# Allegro board com_v1_p3.brd (continued)
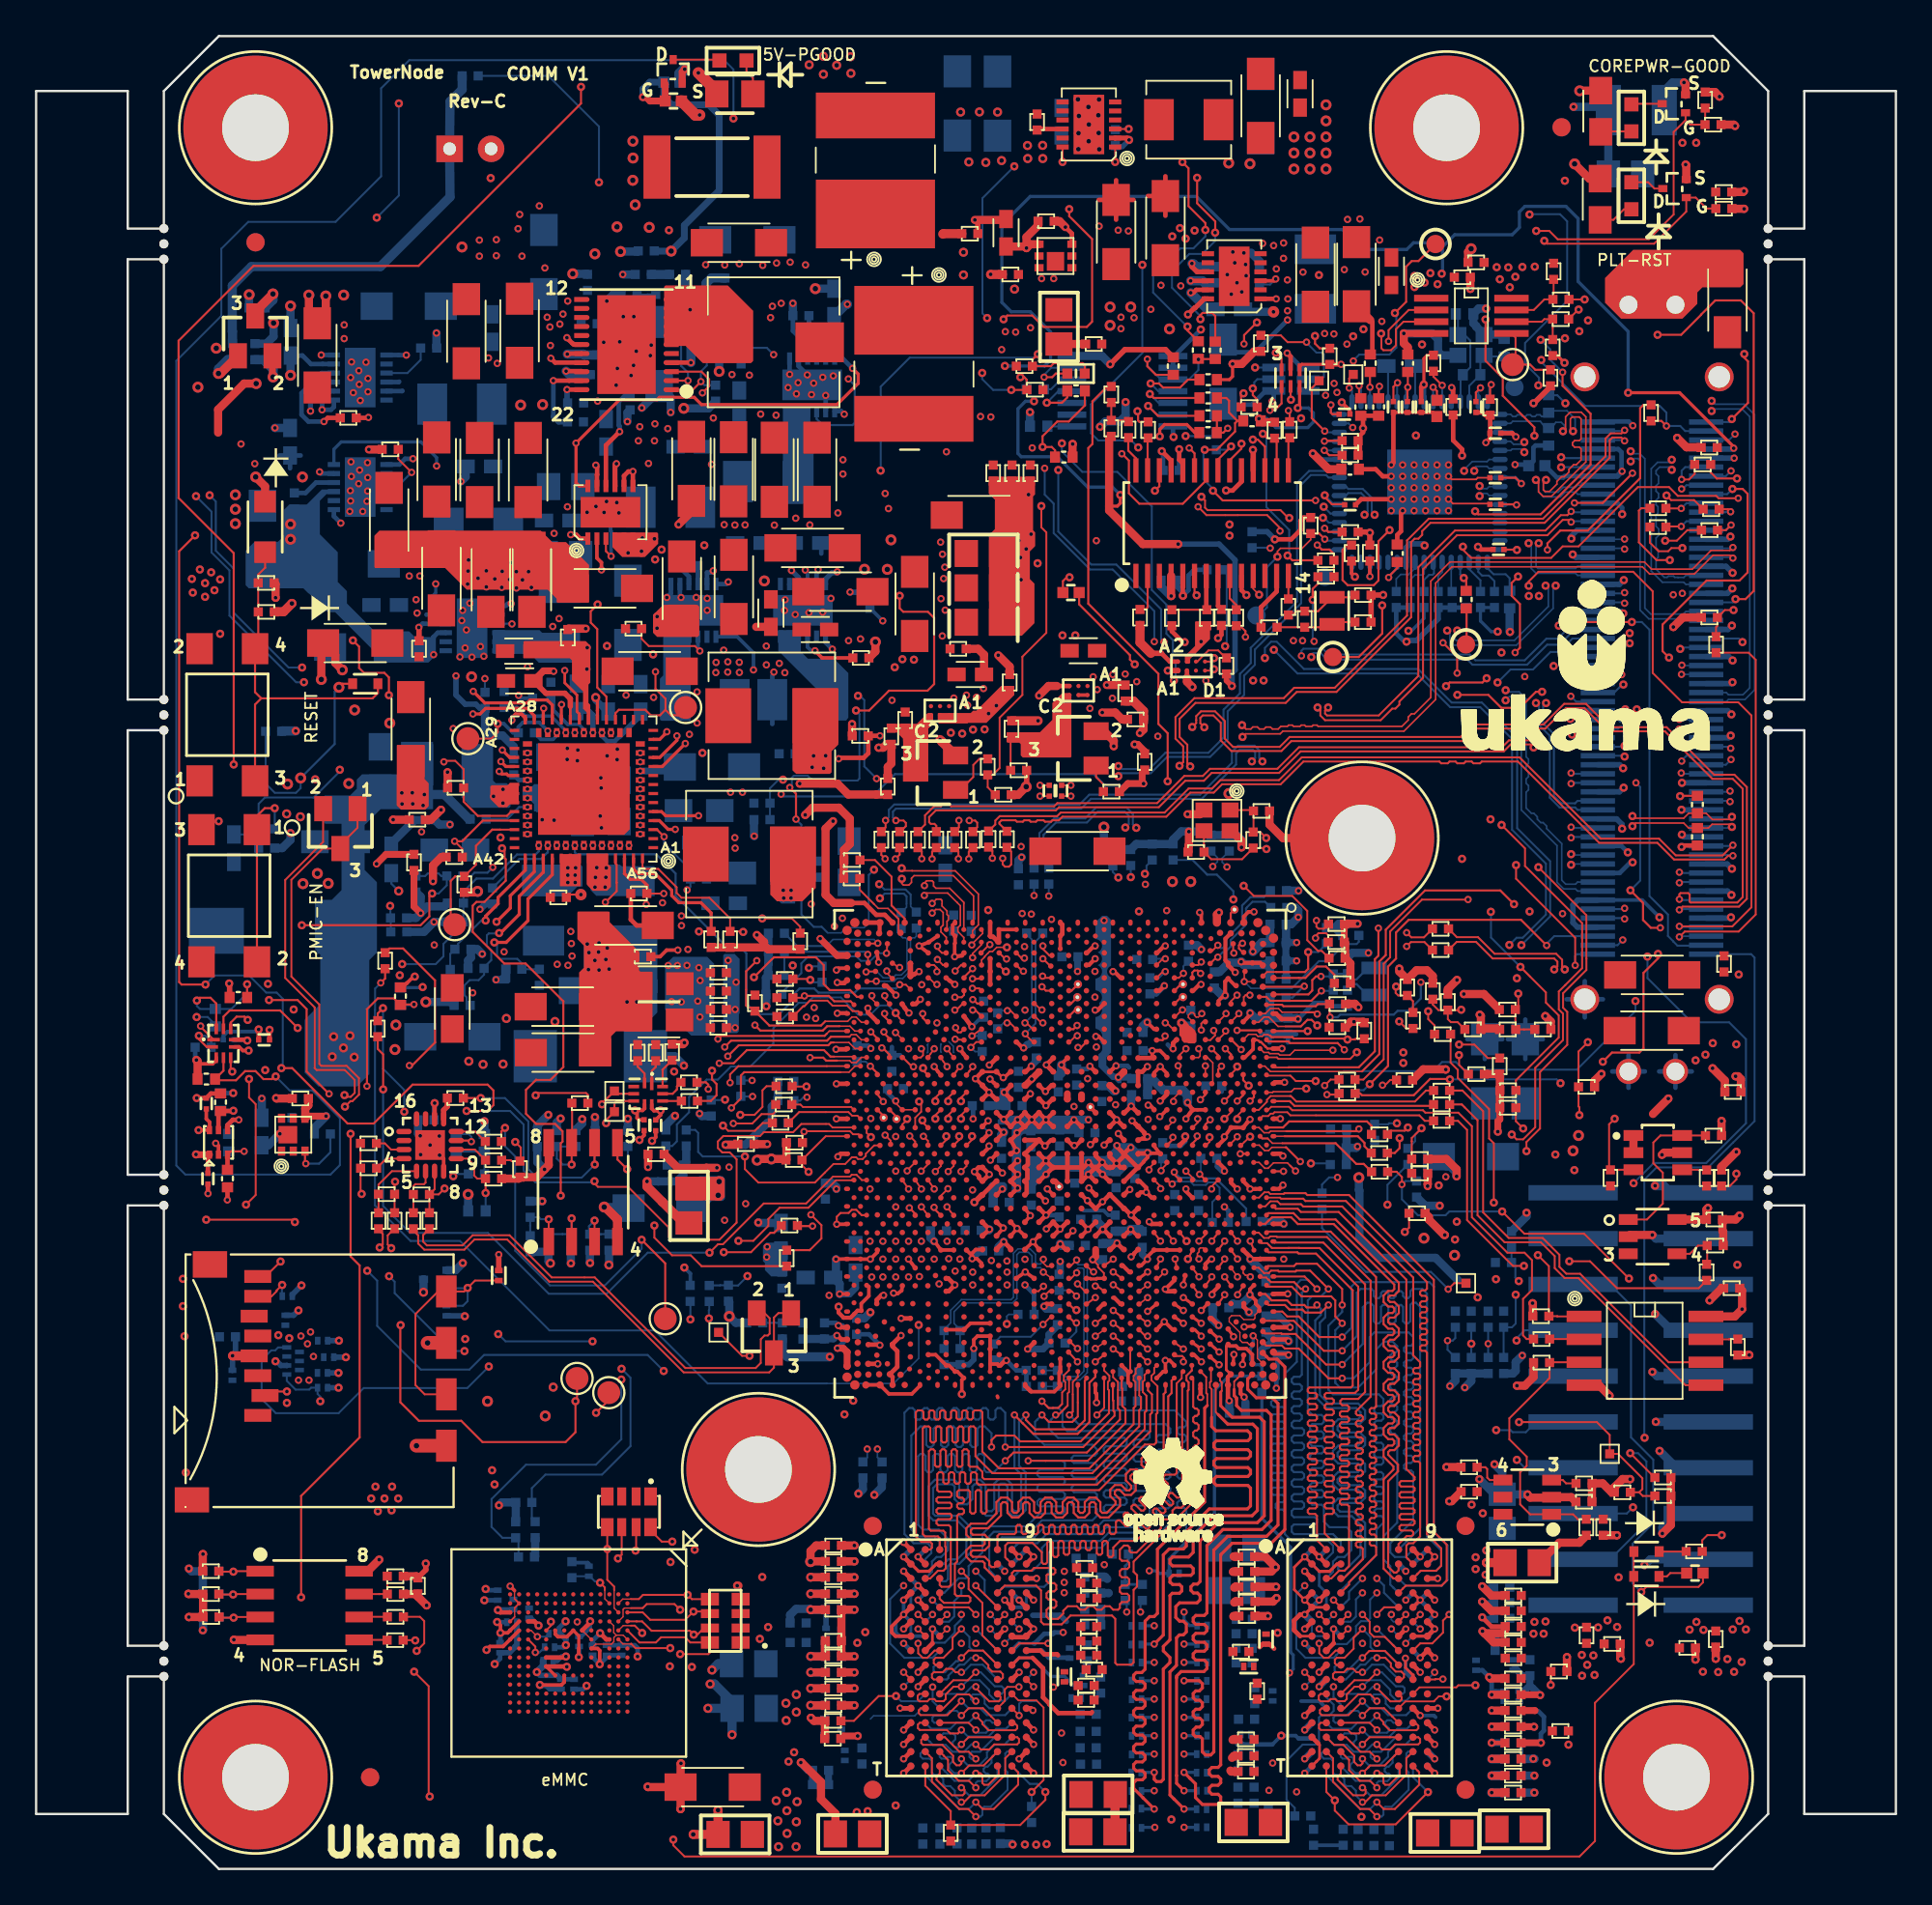
[diagram p0: board, top side]
## Routing (per net, layer and track width the routed paths; a pad name or vN(x,y) marks a point on that pad's centre or on a via; arc(x,y) is an arc through that point) (continued)
  TOP w0.173: v2(66.85,27.96) 66.88,28.15 U3C1.D50
  L3_SIG1 w0.157: v2(66.85,27.96) 67.42,27.39 67.42,6.88 66.91,6.37 66.44,6.37 65.9,5.83 65.9,5.23 64.5,3.83 63.34,3.83 62.3,2.79 62.3,2.61 v2(61.99,2.3)
  L7_PWR2 w0.157: v2(74.3,2.9) 73.98,2.59 73.83,2.43 64.66,2.43 64.09,1.86 62.43,1.86 v2(61.99,2.3) 61.99,2.31 61.32,2.31 60.82,2.81 60.43,2.81 60.23,2.62 60.23,2.5 60.04,2.3 59.76,2.3 59.57,2.5 59.57,2.62 59.38,2.81 59.1,2.81 58.91,2.62 58.91,2.5 58.72,2.3 58.44,2.3 58.25,2.5 58.25,2.62 58.06,2.81 57.78,2.81 57.59,2.62 57.59,2.5 57.4,2.3 57.12,2.3 56.93,2.5 56.93,2.62 56.74,2.81 56.46,2.81 56.27,2.62 56.27,2.5 56.08,2.3 55.8,2.3 55.61,2.5 55.61,2.62 55.42,2.81 53.96,2.81 53.45,2.3 52.31,2.3 52.07,2.54 v2(52.07,2.9)
  BOTTOM w0.109: v2(52.07,2.9) 52.33,2.9 52.44,3 52.44,3.35 52.54,3.45 52.89,3.45 53.83,4.39 53.83,5.35 53.71,5.48 53.71,6.4 53.81,6.5 U30.R2 ; U24.R2 76.3,6.5 76.03,6.5 75.93,6.4 75.93,5.48 76.06,5.35 76.06,4.39 75.12,3.45 74.76,3.45 74.66,3.35 74.66,3 74.56,2.9 v2(74.3,2.9)
  BOTTOM w0.173: v2(61.99,2.3) 61.29,2.3 R11255.1
M_A_A8: length 73.7
  TOP w0.102: 65.64,26.43 65.7,26.5 65.7,26.97 65.61,27.06 U3C1.G52
  TOP w0.109: v2(52.07,3.7) 52.46,3.32 53.07,3.32 54.42,4.67 54.42,5.36 54.42,5.36 U37.T8 ; U27.T8 76.64,5.36 76.64,4.67 75.3,3.32 74.68,3.32 v2(74.3,3.7)
  TOP w0.173: v2(63.61,3.32) 63.06,3.87 62.83,4.1 62.83,10.92 63.19,11.28 63.19,12.81 63.36,12.97 63.57,12.97 63.74,13.14 63.74,13.57 63.57,13.73 63.36,13.73 63.15,13.94 63.15,14.54 63.36,14.75 64.34,14.75 64.5,14.92 64.5,15.15 64.36,15.29 64.14,15.29 63.99,15.44 63.99,15.64 64.14,15.79 64.36,15.79 64.5,15.93 64.5,18.18 65.52,19.2 67.68,19.2 68.06,19.58 68.06,24.78 67.8,25.04 66.28,25.04 65.64,25.67 65.64,26.43
  L7_PWR2 w0.157: v2(52.07,3.7) 52.46,3.32 61.2,3.32 61.71,2.81 62.34,2.81 62.85,3.32 v2(63.61,3.32) 63.91,3.62 64.12,3.83 64.63,3.83 65.15,3.3 65.63,3.3 66.15,3.83 66.66,3.83 67.19,3.3 67.66,3.3 68.18,3.83 68.69,3.83 69.22,3.3 73.9,3.3 74.04,3.44 v2(74.3,3.7)
  BOTTOM w0.109: v2(74.3,3.7) 73.92,3.32 73.38,3.32 71.5,5.2 U24.T8 ; v2(52.07,3.7) 51.69,3.32 51.15,3.32 49.27,5.2 U30.T8
  BOTTOM w0.173: R11234.1 64.3,3.32 v2(63.61,3.32)
M_A_A9: length 70.3
  TOP w0.102: 66.39,26.58 66.39,27.02 U3C1.E52
  TOP w0.109: v2(74.3,4.5) 73.92,4.88 73.35,4.88 72.76,5.48 72.76,6.05 U27.R3 ; v2(52.07,4.5) 51.69,4.88 51.13,4.88 50.53,5.48 50.53,6.05 50.3,6.28 50.3,6.28 U37.R3
  TOP w0.173: 66.39,26.58 66.39,26.24 66.52,26.1 66.52,25.68 66.79,25.42 68.18,25.42 68.44,25.16 68.44,19.32 67.93,18.81 65.77,18.81 64.88,17.93 64.88,14.2 64.74,14.05 64.27,14.05 64.12,13.9 64.12,13.7 64.27,13.55 64.74,13.55 64.88,13.41 64.88,13.2 64.74,13.06 64.27,13.06 64.12,12.91 64.12,12.71 64.27,12.56 64.74,12.56 64.88,12.42 64.88,12.21 64.74,12.07 64.27,12.07 64.12,11.92 64.12,11.72 64.27,11.57 64.74,11.57 64.88,11.43 64.88,11.11 64.72,10.94 63.45,10.94 63.2,10.69 63.2,10.61 63.2,10.61 63.2,5.18 63.2,5.18 63.2,4.75 v2(63.61,4.34)
  L7_PWR2 w0.157: v2(74.3,4.5) 73.9,4.1 73.01,4.1 72.39,4.72 71.23,4.72 70.34,3.83 69.58,3.83 68.57,4.84 64.12,4.84 v2(63.61,4.34) 62.85,4.34 62.34,3.83 52.75,3.83 52.42,4.16 v2(52.07,4.5)
  BOTTOM w0.109: v2(52.07,4.5) 52.07,4.76 52.18,4.87 52.65,4.87 52.83,5.04 52.83,5.19 52.73,5.29 52.63,5.29 52.51,5.41 52.51,5.55 52.63,5.67 52.73,5.67 52.94,5.89 52.94,6.17 U30.R3 ; v2(74.3,4.5) 74.3,4.76 74.4,4.87 74.88,4.87 75.05,5.04 75.05,5.19 74.95,5.29 74.85,5.29 74.73,5.41 74.73,5.55 74.85,5.67 74.95,5.67 75.17,5.89 75.17,6.17 U24.R3
  BOTTOM w0.173: R11244.1 64.33,4.34 v2(63.61,4.34)
M_A_A10: length 67.7
  TOP w0.109: U37.L7 53.44,9.54 53.44,9.39 53.34,9.29 52.82,9.29 52.07,10.03 v2(52.07,10.1) ; U27.L7 75.67,9.54 75.67,9.39 75.57,9.29 75.04,9.29 74.3,10.03 v2(74.3,10.1)
  TOP w0.173: U3C1.K48 v2(64.57,28.82)
  L3_SIG1 w0.102: v2(64.57,28.82) 64.19,28.45 64.19,27.65
  L3_SIG1 w0.157: v2(63.61,11.45) 64.12,10.94 64.12,8.57 64.29,8.4 64.72,8.4 64.88,8.57 64.88,11.62 64.74,11.77 64.27,11.77 64.12,11.91 64.12,12.12 64.27,12.26 64.74,12.26 64.88,12.41 64.88,12.61 64.74,12.76 64.27,12.76 64.12,12.9 64.12,13.11 64.27,13.25 64.74,13.25 64.88,13.4 64.88,13.6 64.74,13.75 64.27,13.75 64.12,13.89 64.12,14.1 64.27,14.24 64.74,14.24 64.88,14.39 64.88,14.59 64.74,14.74 63.76,14.74 63.61,14.88 63.61,15.09 63.76,15.23 64.74,15.23 64.88,15.38 64.88,15.61 64.74,15.76 63.76,15.76 63.61,15.9 63.61,16.11 63.76,16.25 64.74,16.25 64.88,16.4 64.88,24.66 64.12,25.42 64.12,27.58 64.19,27.65
  L7_PWR2 w0.157: v2(74.3,10.1) 73.9,9.7 69.8,9.7 69.07,10.43 68.69,10.43 68.31,10.05 67.93,10.05 67.55,10.43 67.17,10.43 66.79,10.05 66.41,10.05 66.03,10.43 65.77,10.43 65.39,10.05 65.01,10.05 64.44,10.62 v2(63.61,11.45) 63.1,10.94 60.82,10.94 59.55,9.67 52.51,9.67 52.38,9.8 v2(52.07,10.1)
  BOTTOM w0.109: U24.L7 73.68,9.7 74.08,10.1 v2(74.3,10.1) ; U30.L7 51.45,9.7 51.85,10.1 v2(52.07,10.1)
  BOTTOM w0.173: R11241.1 64.33,11.45 v2(63.61,11.45)
M_A_A11: length 68.6
  TOP w0.109: v2(73.5,5.3) 73.93,5.73 74.73,5.73 75.28,6.29 U27.R7 ; U37.R7 53.01,6.23 52.51,5.73 51.71,5.73 v2(51.27,5.3)
  TOP w0.173: U3C1.E51 v2(66.37,28.52)
  L3_SIG1 w0.157: v2(66.37,28.52) 66.37,27.74 67.01,27.1 67.01,26.88 66.54,26.4 66.54,25.54 67.03,25.05 67.03,17.65 66.79,17.41 66.79,17.04 67.04,16.79 67.04,16.55 66.79,16.3 66.79,16.05 67.04,15.8 67.04,15.56 66.79,15.31 66.79,14.97 67.03,14.74 67.03,13.84 66.79,13.6 66.79,13.31 67.05,13.05 67.05,12.81 66.79,12.55 66.79,12.32 67.05,12.06 67.05,11.82 66.79,11.56 66.79,11.06 67.03,10.83 67.03,9.52 66.79,9.28 66.79,8.99 67.05,8.73 67.05,8.5 66.79,8.24 66.79,8 67.05,7.74 67.05,7.16 66.65,6.75 65.9,6.75 65.52,6.37 65.52,5.48 64.5,4.46 64.12,4.46 63.74,4.84 63.02,4.84 62.85,4.68 62.85,3.89 62.69,3.73 61.72,3.73 61.58,3.87 61.58,4.17 61.75,4.34 v2(61.96,4.34)
  L4_PWR1 w0.157: v2(51.27,5.3) 51.52,5.05 51.67,4.9 52.24,4.9 52.69,5.35 53.07,5.35 53.52,4.9 53.76,4.9 54.21,5.35 54.6,5.35 55.04,4.9 58.98,4.9 59.29,4.59 59.74,4.59 60.38,5.23 60.69,5.23 61.58,4.34 v2(61.96,4.34) 62.6,4.34 63.1,3.83 70.22,3.83 71.69,5.3 v2(73.5,5.3)
  BOTTOM w0.109: U30.R7 50.07,6.22 50.18,6.11 50.4,6.11 50.5,6.21 50.68,6.21 50.79,6.11 50.79,5.96 50.6,5.78 50.6,5.59 50.89,5.3 v2(51.27,5.3) ; U24.R7 72.3,6.22 72.4,6.11 72.63,6.11 72.72,6.21 72.91,6.21 73.01,6.11 73.01,5.96 72.83,5.78 72.83,5.59 73.11,5.3 v2(73.5,5.3)
  BOTTOM w0.173: R11237.1 61.27,4.34 v2(61.96,4.34)
M_A_A12: length 67.6
  TOP w0.109: U27.N7 75.15,8.45 74.69,8.91 73.91,8.91 v2(73.5,8.5) ; v2(51.27,8.5) 51.68,8.91 52.47,8.91 52.93,8.45 U37.N7
  TOP w0.173: v2(66.35,29.5) U3C1.F47
  L3_SIG1 w0.102: v2(66.35,29.5) 66.12,29.74 65.7,29.74 65.39,29.74 64.93,29.28 64.93,27.97 64.88,27.92 64.88,27.66
  L3_SIG1 w0.157: 64.88,27.66 64.88,26.33 64.91,26.3 64.91,25.26 65.9,24.28 65.9,24.02 65.75,23.88 65.41,23.88 65.26,23.73 65.26,23.53 65.41,23.38 65.75,23.38 65.9,23.24 65.9,23.03 65.75,22.89 65.41,22.89 65.26,22.74 65.26,22.54 65.41,22.39 65.75,22.39 65.9,22.25 65.9,22.04 65.75,21.9 65.41,21.9 65.26,21.75 65.26,21.55 65.41,21.4 65.75,21.4 65.9,21.26 65.9,21.05 65.75,20.9 65.41,20.9 65.26,20.76 65.26,20.55 65.41,20.41 65.75,20.41 65.9,20.26 65.9,20.06 65.75,19.91 65.41,19.91 65.26,19.77 65.26,19.56 65.41,19.42 65.75,19.42 65.9,19.27 65.9,19.07 65.77,18.94 65.39,18.94 65.26,18.81 65.26,18.58 65.62,18.22 65.62,17.9 65.26,17.54 65.26,8.27 64.88,7.89 62.47,7.89 62.34,8.02 v2(61.96,8.4)
  L4_PWR1 w0.157: v2(51.27,8.5) 51.67,8.1 53.28,8.1 53.58,8.4 53.95,8.4 54.25,8.1 54.91,8.1 55.21,8.4 55.87,8.4 56.17,8.1 57.22,8.1 57.52,8.4 58.02,8.4 58.32,8.1 59.25,8.1 59.55,8.4 59.93,8.4 60.22,8.11 60.74,8.11 61.03,8.4 v2(61.96,8.4) 62.6,8.4 63.1,7.89 65.01,7.89 65.39,8.27 69.72,8.27 69.91,8.08 70.64,8.08 71.05,8.5 v2(73.5,8.5)
  BOTTOM w0.109: U24.N7 72.3,8.1 72,8.1 71.89,8.2 71.89,8.4 72,8.5 72.6,8.5 72.87,8.76 73.24,8.76 v2(73.5,8.5) ; v2(51.27,8.5) 51.01,8.76 50.64,8.76 50.38,8.5 49.77,8.5 49.67,8.4 49.67,8.2 49.77,8.1 U30.N7
  BOTTOM w0.173: v2(61.96,8.4) 61.26,8.4 R11243.1
M_A_A13: length 70.9
  TOP w0.102: 64.9,25.69 64.9,26.32 64.84,26.38 64.84,27.26 U3C1.J51
  TOP w0.109: U27.T3 72.3,5.28 72.12,5.1 72.12,4.95 72.98,4.08 73.57,4.08 73.67,4.18 73.67,4.39 73.56,4.5 v2(73.5,4.5) ; v2(51.27,4.5) 51.34,4.5 51.45,4.39 51.45,4.18 51.35,4.08 50.76,4.08 49.9,4.95 49.9,5.1 50.07,5.28 U37.T3
  TOP w0.173: v2(61.96,3.32) 61.34,3.94 60.82,4.46 60.82,4.78 60.98,4.94 61.31,4.94 61.45,5.09 61.45,5.29 61.31,5.44 60.96,5.44 60.82,5.58 60.82,5.79 60.96,5.93 61.31,5.93 61.45,6.08 61.45,6.28 61.31,6.43 60.96,6.43 60.82,6.57 60.82,6.78 60.96,6.92 61.31,6.92 61.45,7.07 61.45,7.27 61.31,7.42 60.96,7.42 60.82,7.56 60.82,7.77 60.96,7.91 61.31,7.91 61.45,8.06 61.45,8.26 61.31,8.41 60.96,8.41 60.82,8.55 60.82,8.76 60.96,8.91 61.31,8.91 61.45,9.05 61.45,9.26 61.31,9.4 60.96,9.4 60.82,9.55 60.82,9.75 60.96,9.9 61.31,9.9 61.45,10.04 61.45,10.25 61.31,10.39 60.96,10.39 60.82,10.54 60.82,10.74 60.96,10.89 61.27,10.89 61.45,11.07 61.45,13.73 61.71,13.99 61.96,13.99 62.14,14.17 62.14,17.72 64.76,20.34 64.76,25.55 64.9,25.69
  L4_PWR1 w0.157: v2(73.5,4.5) 71.78,4.5 70.6,3.32 64.37,3.32 63.99,2.93 63.4,2.93 63.01,3.32 v2(61.96,3.32) 61.45,3.32 60.95,3.83 60.56,3.83 60.18,3.45 59.8,3.45 59.42,3.83 59.04,3.83 58.66,3.45 58.28,3.45 57.9,3.83 57.52,3.83 57.14,3.45 56.75,3.45 56.37,3.83 55.99,3.83 55.61,3.45 55.23,3.45 54.58,4.1 51.68,4.1 v2(51.27,4.5)
  BOTTOM w0.109: U30.T3 53.27,5.51 53.27,5.05 52.31,4.08 51.69,4.08 v2(51.27,4.5) ; v2(73.5,4.5) 73.92,4.08 74.53,4.08 75.5,5.05 U24.T3
  BOTTOM w0.173: v2(61.96,3.32) 61.27,3.32 R11254.1
M_A_A14: length 76.1
  TOP w0.109: v2(52.07,5.3) 52.33,5.3 52.44,5.2 52.44,4.76 52.54,4.66 52.76,4.66 53.34,5.24 53.34,5.64 U37.T7 ; U27.T7 75.56,5.64 75.56,5.24 74.99,4.66 74.76,4.66 74.66,4.76 74.66,5.2 74.56,5.3 v2(74.3,5.3)
  TOP w0.173: U3C1.B49 68.32,28.26 68.77,28.26 69.2,27.83 69.2,18.81 68.44,18.05 66.28,18.05 65.64,17.42 65.64,5.77 65.5,5.63 65.15,5.63 65.01,5.48 65.01,5.28 65.15,5.13 65.5,5.13 65.64,4.99 65.64,4.78 65.5,4.64 65.15,4.64 65.01,4.49 65.01,4.29 65.15,4.14 65.5,4.14 65.64,4 65.64,3.74 65.48,3.57 64.63,3.57 64.25,3.96 64.25,4.72 63.94,5.02 v2(63.61,5.35)
  L7_PWR2 w0.157: v2(52.07,5.3) 52.4,4.97 52.41,4.97 52.63,4.75 62.41,4.75 63.01,5.35 63.6,5.35 v2(63.61,5.35) 64.12,5.86 65.64,5.86 66.15,5.35 69.45,5.35 69.9,4.9 70.53,4.9 71.23,5.61 72.43,5.61 73.14,4.9 73.9,4.9 74.03,5.04 v2(74.3,5.3)
  L8_SIG4 w0.102: 51.66,5.72 50.63,5.72
  L8_SIG4 w0.157: 50.63,5.72 49.68,6.67 v2(49.68,10.08) ; v2(52.07,5.3) 51.66,5.72
  BOTTOM w0.109: U30.T7 50.36,5.42 50.89,4.88 51.66,4.88 v2(52.07,5.3) ; v2(74.3,5.3) 73.88,4.88 73.12,4.88 72.65,5.36 U24.T7 ; v2(49.68,10.08) 49.68,9.3 U30.M7
  BOTTOM w0.173: v2(63.61,5.35) 64.29,5.35 R11236.1
M_A_A15: length 51.7
  TOP w0.076: 67.98,28.01 67.68,28.31 67.68,29.32 v2(67.44,29.55)
  TOP w0.102: U3C1.B50 67.98,28.01 ; v2(54.46,10.09) 53.83,10.09 53.68,9.95 53.68,9.31 53.58,9.21 U37.M7
  L4_PWR1 w0.157: v1(68.8,13.09) 67.6,13.09 64.17,16.53 v2(61.69,16.53)
  L5_SIG2 w0.157: v2(54.46,10.09) 55.11,9.45 57.72,9.45 58.82,10.55 58.82,15.27 60.08,16.53 v2(61.69,16.53)
  L8_SIG4 w0.157: v2(71.89,10.1) 71.2,9.4 69.24,9.4 68.8,9.84 v1(68.8,13.09)
  BOTTOM w0.109: v2(71.89,10.1) 71.89,9.52 72.3,9.12 U24.M7
  BOTTOM w0.173: v2(61.69,16.53) 62.1,16.53 62.25,16.38 R11242.1 62.79,17.19 65.3,19.7 65.3,26.52 66.09,27.32 R384.2 67.92,27.84 67.82,27.95 67.57,27.95 67.29,28.23 67.29,28.86 67.44,29.01 v2(67.44,29.55)
M_A_BS0: length 70.4
  TOP w0.109: v2(73.5,9.3) 72.72,8.53 71.24,8.53 71.14,8.63 71.14,8.8 71.24,8.9 71.5,8.9 U27.M2 ; v2(51.27,9.3) 50.5,8.53 49.02,8.53 48.92,8.63 48.92,8.8 49.02,8.9 U37.M2
  TOP w0.173: U3C1.K47 64.21,29.89 v2(64.57,29.54)
  L4_PWR1 w0.157: v2(73.5,9.3) 65.4,9.3 65.01,8.91 63.1,8.91 62.6,9.42 v2(61.96,9.42) 61.83,9.29 58.41,9.29 58.02,8.9 57.52,8.9 57.14,9.29 56.63,9.29 56.24,8.9 55.74,8.9 55.36,9.29 54.96,9.29 54.58,8.9 54.09,8.9 53.71,9.29 53.33,9.29 52.94,8.9 51.67,8.9 51.56,9.02 v2(51.27,9.3)
  L8_SIG4 w0.102: 64.91,27.6 64.91,29.19 64.79,29.31 v2(64.57,29.54) ; 62.01,9.42 v2(61.96,9.42)
  L8_SIG4 w0.157: 62.01,9.42 62.83,10.24 62.83,14.73 63.36,15.26 64.72,15.26 65.39,15.93 65.39,16.4 65.26,16.53 65.01,16.53 64.88,16.66 64.88,16.92 65.03,17.06 65.25,17.06 65.39,17.21 65.39,17.41 65.25,17.56 65.03,17.56 64.88,17.7 64.88,17.91 65.03,18.05 66.01,18.05 66.15,18.2 66.15,18.4 66.01,18.55 65.03,18.55 64.88,18.69 64.88,18.9 65.03,19.04 66.01,19.04 66.15,19.19 66.15,19.39 66.01,19.54 65.03,19.54 64.88,19.68 64.88,19.89 65.03,20.03 65.25,20.03 65.39,20.18 65.39,20.38 65.25,20.53 65.03,20.53 64.88,20.67 64.88,20.88 65.03,21.02 65.25,21.02 65.39,21.17 65.39,21.37 65.25,21.52 65.03,21.52 64.88,21.66 64.88,21.87 65.03,22.01 65.25,22.01 65.39,22.16 65.39,22.37 65.25,22.51 65.03,22.51 64.88,22.66 64.88,22.86 65.03,23.01 65.25,23.01 65.39,23.15 65.39,23.36 65.25,23.5 65.03,23.5 64.88,23.65 64.88,23.85 65.03,24 65.25,24 65.39,24.14 65.39,24.35 65.25,24.49 65.03,24.49 64.88,24.64 64.88,24.84 65.03,24.99 65.25,24.99 65.39,25.13 65.39,25.34 65.25,25.48 65.05,25.48 64.91,25.63 64.91,25.98 64.91,25.98 64.91,26.3 64.91,27.6
  BOTTOM w0.109: U24.M2 75.93,8.54 75.93,8.53 74.92,8.53 74.53,8.91 73.89,8.91 v2(73.5,9.3) ; v2(51.27,9.3) 51.67,8.91 52.31,8.91 52.69,8.53 53.71,8.53 53.79,8.61 53.79,8.62 U30.M2
  BOTTOM w0.173: R11249.1 61.27,9.42 v2(61.96,9.42)
M_A_BS1: length 70.8
  TOP w0.109: U27.N8 76.37,8.04 76.49,8.04 76.59,7.94 76.59,7.79 76.49,7.69 75,7.69 74.66,8.03 74.66,8.14 v2(74.3,8.5) ; U37.N8 54.14,8.04 54.27,8.04 54.37,7.94 54.37,7.79 54.27,7.69 52.78,7.69 52.44,8.03 52.44,8.14 v2(52.07,8.5)
  TOP w0.173: v2(63.58,31.67) U3C1.K44
  L7_PWR2 w0.157: v2(52.07,8.5) 52.48,8.1 60.01,8.1 60.82,8.91 63.1,8.91 v2(63.61,9.42) 64.06,8.97 64.25,8.78 65.77,8.78 66.23,8.32 68.56,8.32 68.94,8.7 69.39,8.7 69.99,8.1 70.71,8.1 71.37,8.77 72.51,8.77 73.18,8.1 73.9,8.1 v2(74.3,8.5)
  L8_SIG4 w0.102: 65.2,27.77 65.14,27.83 65.14,30.24 64.77,30.61 64.39,30.61 64.12,30.88 64.12,31.12 63.9,31.34 v2(63.58,31.67)
  L8_SIG4 w0.157: 65.2,27.77 65.64,27.32 65.64,25.8 66.52,24.92 66.52,24.72 66.38,24.57 65.92,24.57 65.77,24.43 65.77,24.22 65.92,24.08 66.39,24.08 66.53,23.93 66.53,23.73 66.39,23.58 65.92,23.58 65.77,23.44 65.77,23.23 65.92,23.09 66.39,23.09 66.53,22.94 66.53,22.74 66.39,22.59 65.92,22.59 65.77,22.45 65.77,22.24 65.92,22.1 66.39,22.1 66.53,21.95 66.53,21.75 66.39,21.6 65.92,21.6 65.77,21.46 65.77,21.25 65.92,21.11 66.39,21.11 66.53,20.96 66.53,20.76 66.39,20.61 65.92,20.61 65.77,20.47 65.77,20.26 65.92,20.12 66.39,20.12 66.53,19.97 66.53,17.8 65.9,17.16 65.9,15.77 65.01,14.88 63.61,14.88 63.2,14.47 63.2,9.83 v2(63.61,9.42)
  BOTTOM w0.109: v2(52.07,8.5) 51.68,8.11 51,8.11 50.66,7.77 49.61,7.77 U30.N8 ; v2(74.3,8.5) 73.91,8.11 73.23,8.11 72.88,7.77 71.84,7.77 U24.N8
  BOTTOM w0.173: R11239.1 64.3,9.42 v2(63.61,9.42)
M_A_BS2: length 67.5
  TOP w0.109: U27.M3 72.5,8.9 73.26,9.67 73.93,9.67 v2(74.3,9.3) ; v2(52.07,9.3) 51.71,9.67 51.04,9.67 50.27,8.9 U37.M3
  TOP w0.173: U3C1.D52 67.14,27.16 67.14,26.59 67.61,26.12 68.5,26.12 68.82,25.8 68.82,19.07 68.18,18.43 66.03,18.43 65.26,17.67 65.26,6.49 65.09,6.32 64.8,6.32 64.63,6.49 64.63,7.21 64.5,7.34 64.25,7.34 64.12,7.46 64.12,7.7 64.29,7.86 64.48,7.86 64.63,8.01 64.63,8.21 64.48,8.36 64.27,8.36 64.12,8.5 64.12,8.71 64.27,8.85 64.48,8.85 64.63,9 64.63,9.2 64.48,9.35 64.27,9.35 64.12,9.49 64.12,9.72 64.27,9.87 64.46,9.87 64.63,10.03 64.63,10.27 64.46,10.43 v2(63.61,10.43)
  L7_PWR2 w0.157: v2(74.3,9.3) 73.9,8.9 73.14,8.9 72.76,9.29 69.33,9.29 69.07,9.54 68.69,9.54 68.43,9.29 67.93,9.29 67.68,9.54 67.03,9.54 66.78,9.29 66.28,9.29 66.03,9.54 65.52,9.54 65.26,9.29 64.76,9.29 63.94,10.11 v2(63.61,10.43) 63.1,9.92 60.82,9.92 60.06,9.17 52.21,9.17 v2(52.07,9.3)
  BOTTOM w0.109: U24.M3 75.5,8.9 75.05,8.9 74.79,9.16 74.79,9.45 74.57,9.67 74.13,9.67 74.03,9.57 74.03,9.4 74.13,9.3 v2(74.3,9.3) ; U30.M3 52.82,8.9 52.56,9.16 52.56,9.45 52.34,9.67 51.91,9.67 51.81,9.57 51.81,9.4 51.91,9.3 v2(52.07,9.3)
  BOTTOM w0.173: R11248.1 64.31,10.43 v2(63.61,10.43)
M_A_CAS_N: length 68.3
  TOP w0.109: U37.K3 49.74,10.5 49.64,10.6 49.64,10.8 49.74,10.9 50.24,10.9 50.43,11.09 50.76,11.09 50.95,10.9 v2(51.27,10.9) ; v2(73.5,10.9) 73.17,10.9 72.98,11.09 72.65,11.09 72.46,10.9 71.97,10.9 71.87,10.8 71.87,10.6 71.97,10.5 72.3,10.5 U27.K3
  TOP w0.173: v2(63.58,30.96) U3C1.M44
  L4_PWR1 w0.157: v2(51.27,10.9) 51.53,10.64 51.67,10.5 56.7,10.5 57.01,10.81 57.45,10.81 57.76,10.51 58.1,10.51 58.41,10.81 58.88,10.81 59.18,10.51 59.63,10.51 59.93,10.81 60.31,10.81 60.62,10.5 61.02,10.5 61.51,11 v2(61.96,11.45) 62.6,11.45 63.1,10.94 65.64,10.94 66.08,10.5 73.1,10.5 73.2,10.61 v2(73.5,10.9)
  L8_SIG4 w0.102: 64.21,27.54 64.21,30.32 v2(63.58,30.96)
  L8_SIG4 w0.157: v2(61.96,11.45) 62.46,11.95 62.46,15 63.17,15.7 64.31,15.7 64.5,15.89 64.5,16.15 64.37,16.27 63.49,16.27 63.36,16.4 63.34,16.4 63.34,16.57 63.49,16.71 64.36,16.71 64.5,16.86 64.5,17.06 64.36,17.21 63.49,17.21 63.34,17.35 63.34,17.56 63.49,17.7 64.36,17.7 64.5,17.85 64.5,18.05 64.36,18.2 63.49,18.2 63.34,18.34 63.34,18.55 63.49,18.69 64.36,18.69 64.5,18.84 64.5,19.04 64.36,19.19 63.49,19.19 63.34,19.34 63.34,19.54 63.49,19.69 64.36,19.69 64.5,19.83 64.5,20.04 64.36,20.18 63.74,20.18 63.6,20.33 63.6,20.53 63.74,20.68 64.36,20.68 64.5,20.82 64.5,21.28 64.36,21.43 64.25,21.43 64.11,21.57 64.11,21.78 64.25,21.92 64.36,21.92 64.5,22.07 64.5,22.27 64.36,22.42 64.25,22.42 64.11,22.56 64.11,22.77 64.25,22.91 64.36,22.91 64.5,23.06 64.5,23.26 64.36,23.41 64.25,23.41 64.11,23.55 64.11,23.76 64.25,23.9 64.36,23.9 64.5,24.05 64.5,24.25 64.36,24.4 64.25,24.4 64.11,24.54 64.11,24.75 64.25,24.89 64.36,24.89 64.5,25.04 64.5,25.24 64.11,25.64 64.11,27.44 64.21,27.54
  BOTTOM w0.109: U30.K3 52.87,10.9 52.46,11.32 51.8,11.32 51.38,10.9 v2(51.27,10.9) ; v2(73.5,10.9) 73.61,10.9 74.03,11.32 74.68,11.32 75.01,10.99 U24.K3
  BOTTOM w0.173: R11251.1 61.26,11.45 v2(61.96,11.45)
M_A_CK_DDR0_N: length 70.6
  TOP w0.112: U27.K7 75.68,10.5 75.8,10.62 75.8,10.79 75.65,10.94 75.34,10.94 75.07,11.21 75.07,11.4 74.77,11.7 v2(74.3,11.7) ; v2(52.07,11.7) 52.36,11.7 52.77,11.3 52.77,11.15 52.98,10.94 53.43,10.94 53.57,10.8 53.57,10.6 53.47,10.5 U37.K7 ; U3C1.M48 v2(63.58,28.82)
  L7_PWR2 w0.114: v2(52.07,11.7) 52.23,11.85 59.63,11.85 59.89,12.11 59.89,12.48 59.63,12.74 58.38,12.74 58.15,12.97 58.15,13.52 58.46,13.83 60.79,13.83 v2(61.2,14.24) 61.37,14.24 61.37,14.24 62.21,14.24 63.11,13.34 64.13,13.34 65.71,11.76 72.82,11.76 73.26,11.32 73.91,11.32
  L7_PWR2 w0.122: v2(74.3,11.7) 73.91,11.32
  L8_SIG4 w0.114: v2(61.2,14.24) 61.2,13.84 61.19,13.83 61.19,10.69 60.83,10.33 60.83,9.12 60.46,8.75 59.89,8.75 59.52,9.12 59.52,10.63 60.2,11.31 60.2,12.84 59.58,13.46 59.58,19.35 60.31,20.08 60.82,20.08 60.96,20.22 60.96,20.59 61.34,20.97 61.71,20.97 61.97,21.24 61.97,21.62 62.25,21.9 62.63,21.9 62.98,22.24 62.98,22.88 62.72,23.13 62.72,23.64 62.98,23.89 62.98,24.19 62.73,24.43 62.73,24.79 62.98,25.04 62.98,25.33 62.72,25.59 62.72,26 62.98,26.25 62.98,26.49 62.72,26.74 62.72,27.16 62.94,27.37 62.94,28.56 63.21,28.82 v2(63.58,28.82)
  BOTTOM w0.112: U24.K7 72.57,10.5 73.39,11.32 73.65,11.32 74.03,11.7 v2(74.3,11.7) ; U30.K7 50.47,10.5 50.55,10.59 50.55,10.71 50.9,11.06 51.16,11.32 51.42,11.32 51.8,11.7 v2(52.07,11.7)
  BOTTOM w0.114: R11379.1 61.2,14.78 v2(61.2,14.24)
M_A_CK_DDR0_P: length 70.4
  TOP w0.112: v2(63.58,28.11) 63.62,28.16 63.62,28.32 63.51,28.43 63.16,28.43 U3C1.M50 ; U37.J7 52.47,12.11 51.68,12.11 v2(51.27,11.7) ; v2(73.5,11.7) 73.88,12.08 74.75,12.08 75.5,11.33 U27.J7
  L7_PWR2 w0.114: v2(51.27,11.7) 51.53,11.7 51.92,12.1 59.53,12.1 59.64,12.22 59.64,12.38 59.53,12.49 58.28,12.49 57.9,12.87 57.9,13.62 58.36,14.08 60.27,14.08 v2(60.44,14.24) 60.82,14.63 61.36,14.63 61.51,14.48 62.32,14.48 63.21,13.59 64.23,13.59 65.81,12.01 72.92,12.01 73.22,11.7 v2(73.5,11.7)
  L8_SIG4 w0.114: v2(60.44,14.24) 60.34,14.14 60.34,13.95 60.45,13.84 60.62,13.84 60.7,13.92 60.86,13.92 60.96,13.82 60.96,10.79 60.6,10.43 60.6,9.22 60.36,8.99 59.99,8.99 59.76,9.22 59.76,10.53 60.44,11.21 60.44,12.93 59.82,13.55 59.82,19.25 60.41,19.84 60.92,19.84 61.2,20.12 61.2,20.49 61.44,20.73 61.81,20.73 62.22,21.14 62.22,21.52 62.35,21.66 62.73,21.66 63.22,22.14 63.22,22.98 62.96,23.23 62.96,23.54 63.22,23.79 63.22,24.29 62.97,24.53 62.97,24.69 63.22,24.94 63.22,25.43 62.96,25.69 62.96,25.9 63.22,26.15 63.22,26.59 62.96,26.84 62.96,27.06 63.18,27.27 63.18,28.34 63.3,28.46 63.5,28.46 63.58,28.39 v2(63.58,28.11)
  BOTTOM w0.112: v2(73.5,11.7) 73.39,11.7 72.59,10.9 72.06,10.9 71.96,11 71.96,11.2 72.06,11.3 U24.J7 ; v2(51.27,11.7) 51.09,11.52 50.98,11.52 50.63,11.17 50.36,10.9 49.83,10.9 49.73,11 49.73,11.2 49.83,11.3 U30.J7
  BOTTOM w0.114: v2(60.44,14.24) 60.44,14.8 R11380.1
M_A_CKE0: length 81.2
  TOP w0.109: U27.K9 77.52,10.5 77.55,10.52 v2(77.96,10.52) ; U37.K9 v2(55.27,10.1)
  TOP w0.173: v2(66.94,30.05) U3C1.C47
  L3_SIG1 w0.157: v2(70.3,10.1) 69.99,10.41 69.89,10.51 69.89,11.07 70.13,11.31 70.15,11.31 70.54,11.7 71.74,11.7 72.54,12.5 v2(73.5,12.5) ; v2(55.27,10.1) U37.K9 53.62,10.5 53.07,11.05 53.07,11.58 52.56,12.09 51.69,12.09 51.58,12.2 v2(51.27,12.5)
  L4_PWR1 w0.157: v2(73.5,12.5) 73.23,12.5 73.07,12.34 73.07,11.56 72.91,11.4 72.67,11.4 72.38,11.7 72.12,11.7 71.74,11.32 71.49,11.32 71.16,11.65 70.92,11.65 70.6,11.32 69.96,11.32 69.19,12.09 68.95,12.09 68.57,11.71 68.3,11.71 67.92,12.09 67.68,12.09 67.3,11.7 67.04,11.7 66.65,12.09 66.41,12.09 66.03,11.7 65.77,11.7 65.38,12.09 65.14,12.09 64.69,11.64 64.21,11.64 63.92,11.93 63.92,12.16 v2(63.61,12.46) 63.18,12.46 62.75,12.04 61.54,12.04 61.21,11.71 56.37,11.71 55.97,11.31 53.65,11.31 52.86,12.1 51.68,12.1 51.53,12.24 v2(51.27,12.5)
  L7_PWR2 w0.157: v2(51.27,12.5) 50.82,12.5 50.4,12.08 50.4,11.58 50.66,11.32 50.66,10.81 50.37,10.53 48.5,10.53 48.41,10.44 v2(48.07,10.1) ; v2(73.5,12.5) 73.91,12.09 74.78,12.09 75.3,11.58 75.3,11.05 75.84,10.5 U27.K9 77.5,10.1 77.83,10.1 77.95,10.22 77.95,10.52 v2(77.96,10.52)
  L8_SIG4 w0.157: v2(66.94,30.05) 66.94,29.34 67.81,28.48 67.81,27.84 67.37,27.4 67.37,11.84 67.13,11.6 66.91,11.6 66.79,11.73 66.79,12.46 66.66,12.59 66.41,12.59 66.28,12.46 66.28,12.08 66.15,11.96 65.93,11.96 65.78,12.11 65.78,12.95 65.63,13.1 65.43,13.1 65.28,12.95 65.28,11.98 65.14,11.83 64.93,11.83 64.79,11.98 64.79,12.95 64.64,13.1 64.44,13.1 64.29,12.95 64.29,12 64.13,11.83 63.78,11.83 63.61,12 v2(63.61,12.46)
  BOTTOM w0.109: U24.K9 70.7,10.5 v2(70.3,10.1) ; U30.K9 v2(48.07,10.1)
  BOTTOM w0.173: v2(63.61,12.46) 64.32,12.46 R11252.1
M_A_CS0_N: length 74.2
  TOP w0.109: U27.L2 71.18,9.7 71.08,9.6 71.08,9.39 71.18,9.29 71.61,9.29 71.74,9.42 71.99,9.42 72.11,9.3 72.51,9.3 72.63,9.42 72.63,9.67 73.06,10.1 v2(73.5,10.1) ; v2(51.27,10.1) 50.84,10.1 50.4,9.67 50.4,9.42 50.29,9.3 49.89,9.3 49.77,9.42 49.52,9.42 49.39,9.29 48.95,9.29 48.85,9.39 48.85,9.6 48.95,9.7 U37.L2
  TOP w0.173: U3C1.P44 v2(61.59,30.91)
  L4_PWR1 w0.157: v2(73.5,10.1) 73.08,9.68 65.76,9.68 65.52,9.92 63.1,9.92 62.6,10.43 v2(61.96,10.43) 61.23,9.7 60.66,9.7 60.31,10.05 59.98,10.05 59.64,9.7 59.21,9.7 58.87,10.05 58.41,10.05 58.06,9.7 57.77,9.7 57.42,10.05 57.09,10.05 56.74,9.7 51.67,9.7 v2(51.27,10.1)
  L8_SIG4 w0.157: v2(61.96,10.43) 61.71,10.43 61.45,10.18 61.45,7.03 61.3,6.88 60.6,6.88 60.46,7.02 60.46,7.75 60.33,7.89 59.88,7.89 59.74,7.75 59.74,7.03 59.58,6.88 58.82,6.88 58.66,7.03 58.66,19.32 62.09,22.75 62.09,30.42 61.98,30.52 v2(61.59,30.91)
  BOTTOM w0.109: v2(51.27,10.1) 51.63,10.46 52.28,10.46 52.82,9.92 52.82,9.67 53.17,9.32 53.69,9.32 53.81,9.44 U30.L2 ; U24.L2 75.92,9.32 75.39,9.32 75.04,9.67 75.04,9.92 74.51,10.46 73.86,10.46 v2(73.5,10.1)
  BOTTOM w0.173: v2(61.96,10.43) 61.26,10.43 R11232.1
M_A_DM0: length 37.2
  TOP w0.109: v2(74.3,14.1) 74.7,14.5 75.5,14.5 U27.E7
  TOP w0.114: v2(65.15,34.8) U3C1.G36
  L3_SIG1 w0.102: v2(65.15,34.8) 65.53,35.18 67.82,35.18 68.82,34.18 71.23,34.18 76.31,29.1 76.31,28.86 76.22,28.77 75.64,28.77 75.55,28.68 75.55,28.56 75.64,28.47 76.22,28.47 76.31,28.38 76.31,28.25 76.22,28.16 75.64,28.16 75.55,28.07 75.55,27.95 75.64,27.86 76.22,27.86 76.31,27.77 76.31,27.64 76.22,27.55 75.64,27.55 75.55,27.46 75.55,27.34 75.64,27.25 76.22,27.25 76.31,27.16 76.31,27.03 76.22,26.94 75.64,26.94 75.55,26.85 75.55,26.73 75.64,26.64 76.22,26.64 76.31,26.55 76.31,26.42 76.22,26.33 75.64,26.33 75.46,26.16 75.46,15.27 74.59,14.39 v2(74.3,14.1)
M_A_DM1: length 32
  TOP w0.114: U3C1.B36 68.25,35.33 71.73,35.33 74.25,32.81 74.25,25.64 74.17,25.55 73.99,25.55 73.9,25.46 73.9,25.33 73.99,25.24 74.17,25.24 74.25,25.15 74.25,25.03 74.17,24.94 73.99,24.94 73.9,24.85 73.9,24.72 73.99,24.63 74.17,24.63 74.25,24.54 74.25,24.42 74.17,24.33 73.99,24.33 73.9,24.24 73.9,24.11 73.99,24.02 74.17,24.02 74.25,23.93 74.25,23.81 74.17,23.72 73.99,23.72 73.9,23.63 73.9,23.5 73.99,23.41 74.17,23.41 74.25,23.32 74.25,23.2 74.17,23.11 73.99,23.11 73.9,23.02 73.9,22.89 73.99,22.8 74.17,22.8 74.25,22.71 74.25,22.59 74.17,22.5 73.99,22.5 73.9,22.41 73.9,22.28 73.99,22.19 74.17,22.19 74.25,22.11 74.25,21.98 74.17,21.89 73.99,21.89 73.9,21.8 73.9,21.67 73.99,21.59 74.17,21.59 74.25,21.5 74.25,21.37 74.17,21.28 73.99,21.28 73.9,21.19 73.9,21.06 73.99,20.98 74.17,20.98 74.25,20.89 74.25,20.76 74.17,20.67 73.99,20.67 73.9,20.58 73.9,20.46 73.99,20.37 74.17,20.37 74.25,20.28 74.25,20.15 74.17,20.06 73.99,20.06 73.9,19.97 73.9,19.85 73.99,19.76 74.17,19.76 74.25,19.67 74.25,19.54 74.17,19.45 73.99,19.45 73.9,19.36 73.9,19.24 73.99,19.15 74.17,19.15 74.25,19.06 74.25,18.93 74.17,18.84 73.99,18.84 73.9,18.75 73.9,18.63 73.99,18.54 74.17,18.54 74.25,18.45 74.25,18.32 74.17,18.23 73.99,18.23 73.9,18.14 73.9,18.02 73.99,17.93 74.17,17.93 74.25,17.84 74.25,17.39 72.76,15.89 72.76,15.76 72.59,15.59 U27.D3
